# KiCad board Rogelio Pineda - connect 4 AMLDC-2044B.kicad_pcb (continued)
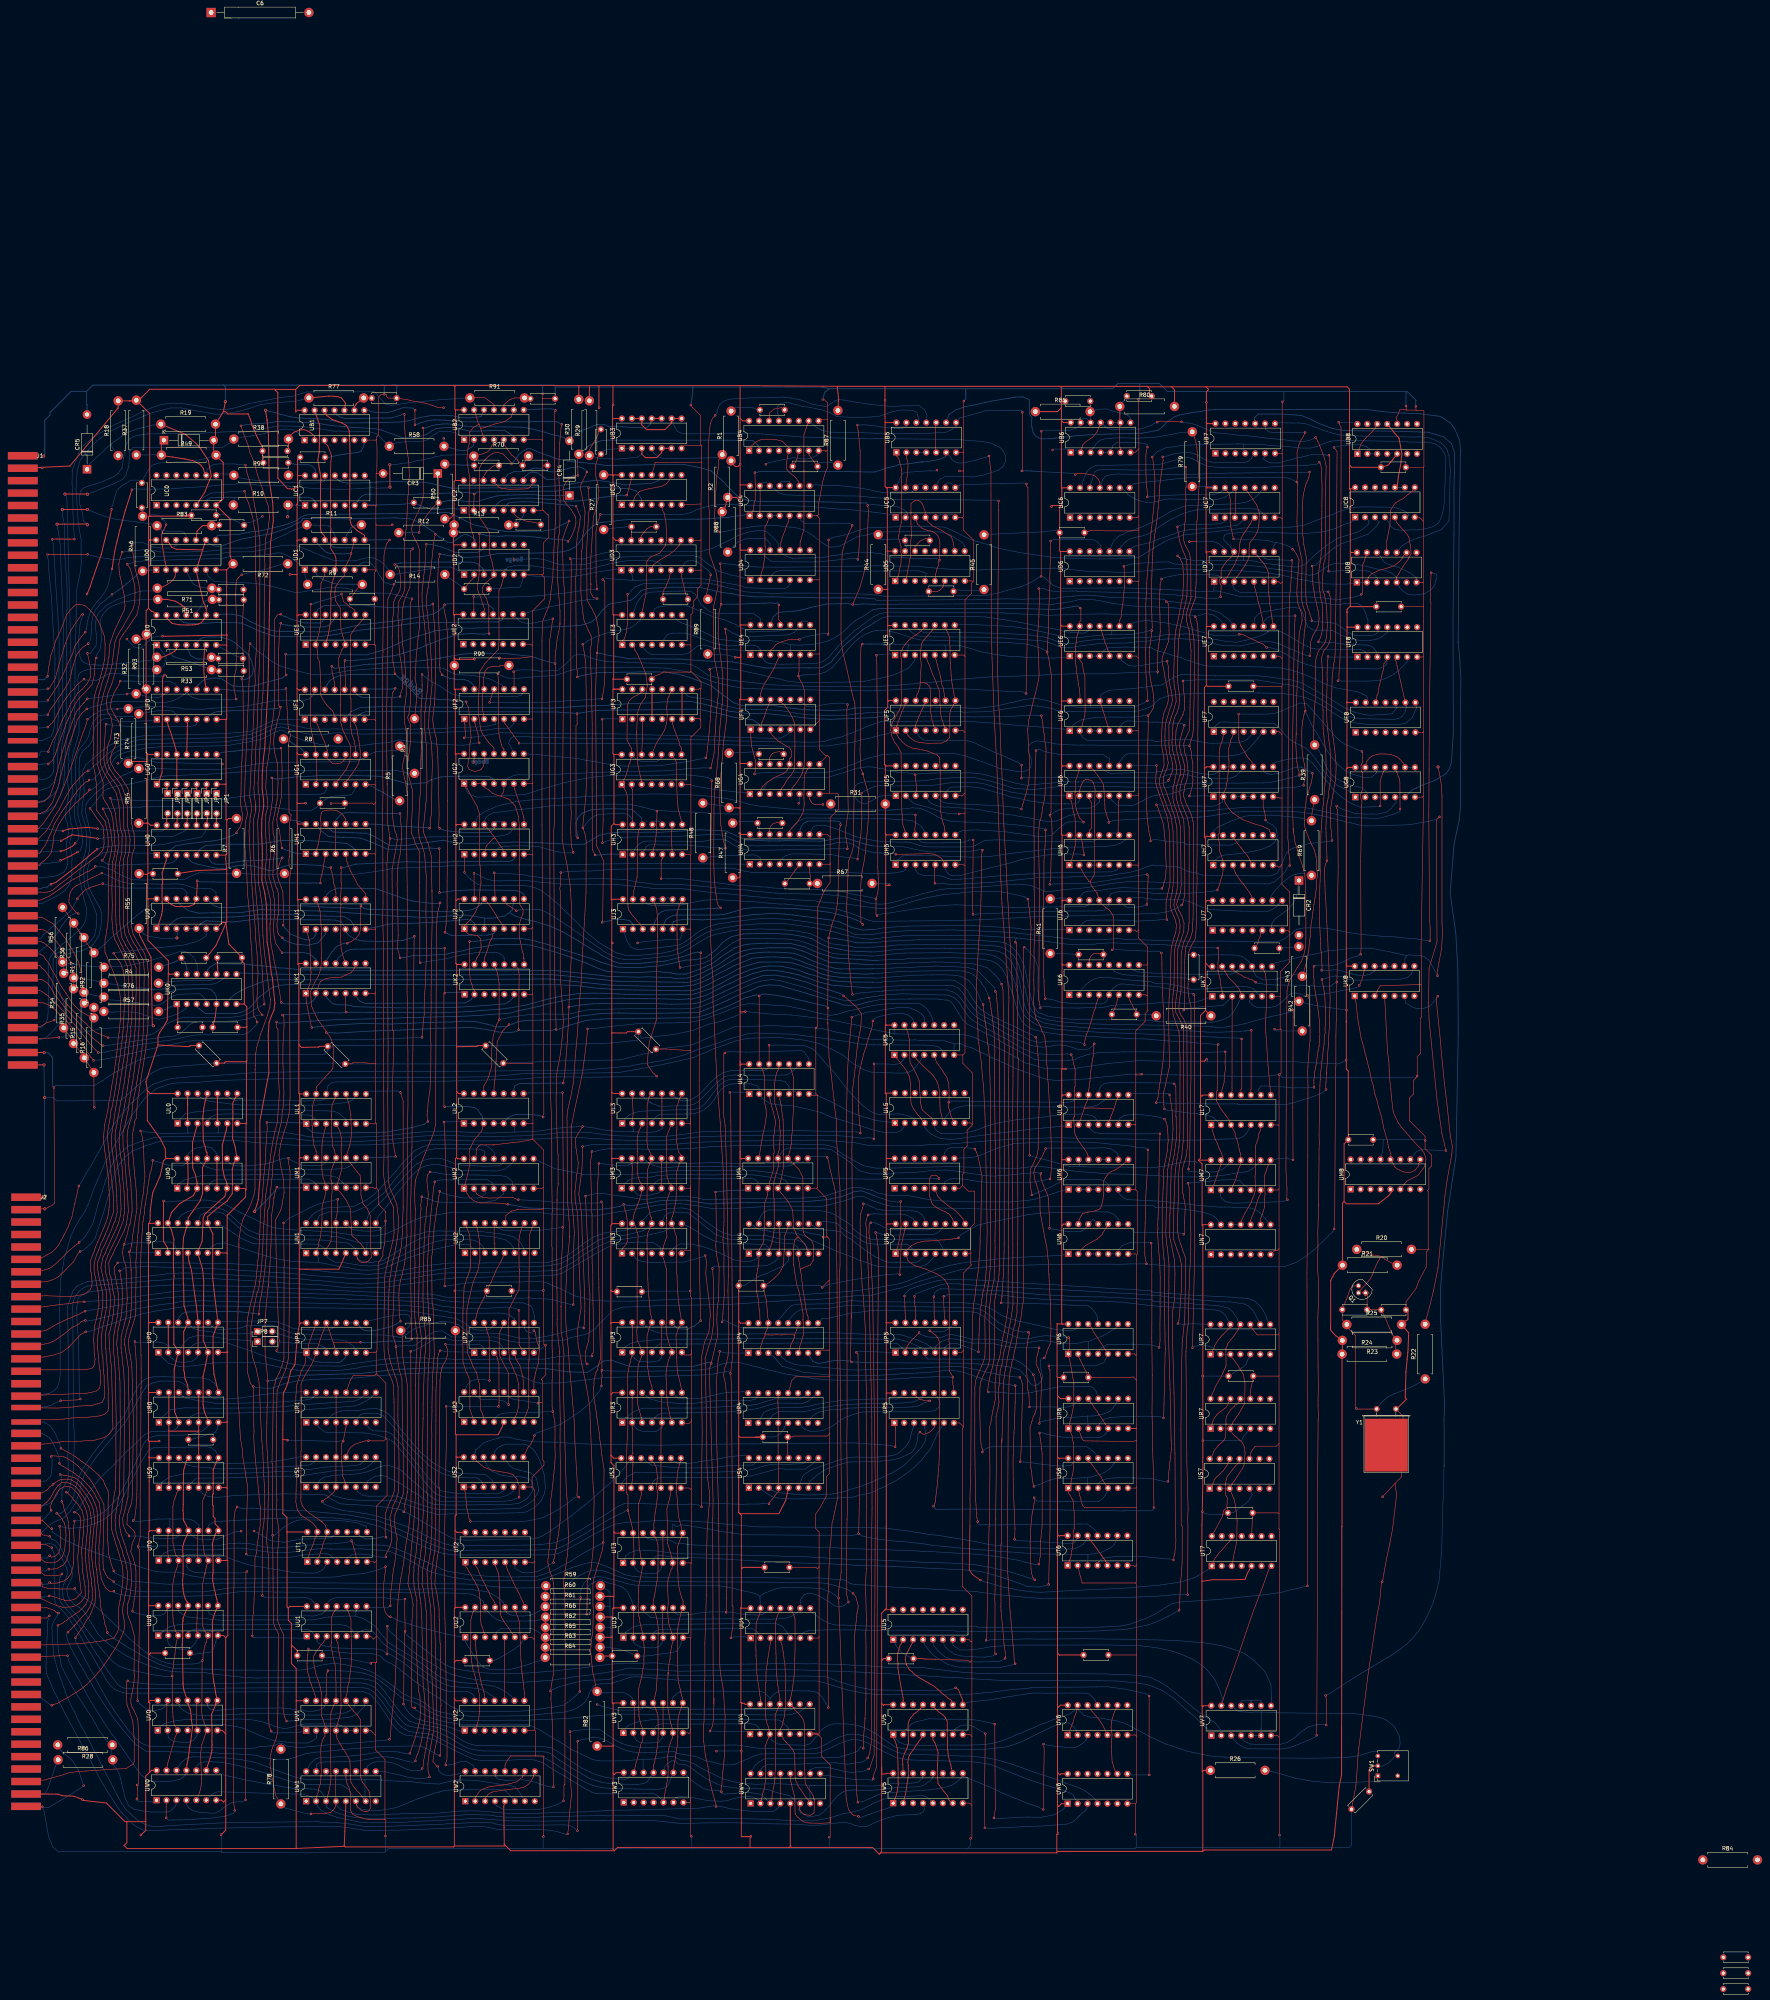
[diagram p0: board, top side]
## Routing (per net, layer and track width the routed paths; a pad name or vN(x,y) marks a point on that pad's centre or on a via; arc(x,y) is an arc through that point) (continued)
F0p12: length 264
  Top w0.15: 103.47,183.29 103.12,187.13 v1(102.99,188.06) 103.23,188.3 103.23,188.36 103.61,189.81 ; 101.8,164.24 101.82,165.72 102.38,168.19 103.04,170.37 ; 99.61,324.49 98.08,327.23 98.5,329.25 99.13,330.83 99.87,332.21 100.35,332.98 v1(100.66,333.82) ; 103.57,189.46 103.84,192.15 104.23,194.69 104.93,199.08 104.9,200.09 104.83,202.61 104.77,203.57 104.44,206.97 104.32,208.06 103.96,212.22 103.86,213.3 103.76,217.98 104.01,219.14 104.01,219.34 104.36,220.78 104.33,221.37 104.73,222.11 104.94,224.63 105.04,226.22 105.48,228.85 105.52,229.21 105.99,232.46 106.12,233.32 106.61,236.01 106.81,237.51 107.25,240.34 107.25,240.55 107.45,243.07 107.65,244.77 107.75,246.63 107.74,247.8 107.83,258.81 107.85,259.28 107.54,262.12 107.21,263.11 106.86,264.3 105.2,266.95 103.96,269.21 103.47,271.34 103.59,274.72 103.54,275.54 103.54,285.05 103.49,285.98 103.7,289.57 104.27,291.13 104.27,293.39 104.18,295.01 103.86,296.07 103.57,297.49 103.56,297.81 103.44,300.55 103.47,300.59 103.32,302.49 103.32,303.13 102.81,305.87 102.55,306.54 101.08,308.9 99.81,310.44 99.31,311.01 98.25,313.03 98.14,314.18 98.54,315.54 99.05,316.51 99.39,317.3 100.36,319.76 100.84,321.18 100.58,322.52 100.13,323.76 99.48,324.72 ; 103.45,183.5 103.52,175.93 103.55,174.89 103.3,171.4 102.96,170.07 ; 101.8,164.49 102.04,162.95 102.75,158.17 102.75,155.48 102.79,154.99 103.1,134.21 102.65,126.49 102.65,125.42 102.46,124.75 102.35,124.16 101.91,122.27 101.64,121.25 101.29,120.03 101.39,118.4 102.22,116.34 102.9,115.81 v1(102.9,115.49)
  Bottom w0.15: v1(102.9,115.49) 105.25,115.49 106.6,115.27 107.24,115.15 108.52,115.06 109.45,114.93 109.68,114.93 110.52,114.93 111.1,114.87 112.37,114.84 113.12,114.83 114.05,114.82 114.57,114.9 115.05,115.18 115.7,115.6 UT0.12 ; v1(100.66,333.82) 102.47,333.82 ; UF0.12 114.9,333 113.87,333.51 113.15,333.75 106,333.75 103.23,333.85 101.56,333.82 ; v1(102.99,188.06) 103.94,187.86 104.66,187.83 108.99,187.83 UN0.1
F1p2: length 17.3
  Top w0.15: UF1.2 150.98,322.84 151.6,321.33 152.2,319.77 152.97,318.02 153.6,316.07 UG1.12 153.77,313.84 154.9,312.81 156.27,312.72 157.03,312.92 157.65,313.43 158.03,313.86 158.26,315.05 UG1.10
F1p6: length 208.7
  Top w0.15: UF1.6 160.54,323.1 161.14,321.72 161.36,320.16 161.49,319.52 161.65,318.64 161.75,317.92 161.97,316.1 161.98,315.67 161.98,314.34 162.01,314.31 161.46,312.62 160.99,311.8 159.98,310.27 159.42,309.58 158.56,308.33 UG1.5 ; UJ3.13 231.79,280.15 232.02,280.77 232.39,282.36 232.7,283.63 232.87,287.63 232.84,287.99 232.87,289.17 232.87,293.59 233.07,295.39 233.25,295.99 UH3.12 ; v1(217.55,293.78) 217.11,294.21 217.11,322.51 217.52,322.92 217.39,323.04 v1(217.39,325.54) ; UF4.12 266.24,327.51 265.74,326.47 265.28,324.83 264.61,323.34 UF4.2
  Bottom w0.2: UF4.2 263.95,322.86 262.14,324.01 260.22,324.22 259.4,324.32 257.97,324.51 256.5,324.82 253.09,325.67 248.25,326.66 237.21,326.52 222.31,326.35 219.95,325.96 218.32,325.72 v1(217.39,325.54) 215.87,325.71 214.82,325.74 213.96,325.77 212.39,325.93 211.35,325.95 170.4,326.07 170,326.08 169.83,326.1 164.48,326.1 163.41,326.02 162.15,325.56 160.54,324.36 UF1.6 ; UH3.12 233.83,298.94 231.35,301.06 228.88,301.19 225.06,301.22 223.21,301.13 220.92,300.93 218.69,300.12 217.6,298.89 217.11,297.53 217.3,295.5 217.4,294.87 217.58,294.5 v1(217.55,293.78)
F1p8: length 135.8
  Top w0.15: v1(171.03,212.41) 170.72,214.03 170.52,215.18 170.37,216.21 170.17,217.44 170.17,228.51 170.19,230.11 170.49,238.39 170.46,238.42 170.46,244.49 170.21,244.74 170.21,264.32 170.25,264.37 170.11,285.53 171.46,293.22 171.24,294.67 170.86,295.53 170.5,297.18 170.31,298.84 170.16,299.98 170.21,300.02 170.21,313.39 170.15,314.06 170.12,314.55 170.07,322.13 170.07,329.47 170.29,330.86 v1(170.93,332.01)
  Bottom w0.2: UF1.8 163.26,331.8 169.72,331.8 170.14,331.81 v1(170.93,332.01) ; v1(171.03,212.41) 167.21,212.19 UM1.8
F1p10: length 360
  Top w0.15: 193.52,374.16 192.65,375.42 192.47,375.89 192.42,375.93 192.42,388.17 192.69,388.7 193,389.34 194.02,390.52 194.16,390.64 194.68,391.2 195.92,392.05 197.03,392.24 198.44,391.86 200.75,389.45 v1(200.63,389.28) 200.75,389.26 ; UF1.10 158.26,331.88 158.26,332.92 157.94,338.79 158.15,339.09 v1(158.07,339.09) 158.07,339.18 158.11,339.14 ; 194.95,345.87 194.93,345.89 v1(194.93,345.95) 194.86,345.95 194.84,345.97 194.84,353.12 194.49,354.01 194.18,354.98 193.17,356.55 193.27,357.81 193.93,358.8 195.21,359.92 195.88,360.21 195.88,360.76 UD2.4 196.06,361.12 196.06,362.15 195.86,363.31 195.71,364.15 195.36,365.27 195.13,366.34 195.03,366.45 195.03,371.7 194.06,373.29 193.46,374.22 ; v1(291.63,378.7) 291.84,377.32 291.56,370.99 291.46,364.24 289.62,357.67 v1(287.81,353.38)
  Bottom w0.15: v1(291.63,378.7) 292.88,378.92 294.61,378.78 295.75,378.7 298.06,378.48 299.28,378.33 300.11,377.98 300.83,377.6 301.56,377.03 301.91,376.48 UC5.2 ; UE7.12 384.07,349.44 382.8,350.38 381.61,351.29 379.57,352 378.96,352.12 378.96,352.12 376.62,352.12 374.51,352.15 369.82,352.54 368.74,352.6 361.15,352.94 360.34,352.95 359.19,353.03 354.65,353.62 353.81,353.75 353.38,353.86 351.66,354.22 349.78,354.55 347.63,354.71 345.71,354.67 344.04,354.25 341.78,353.82 338.79,353.44 334.64,353.54 332.41,353.54 327.35,353.71 313.89,353.52 300.37,353.5 299.82,353.53 299.57,353.46 293.33,353.46
  Bottom w0.2: v1(200.63,389.28) 200.63,389.34 201.68,390.51 202.45,391.63 203.49,392.51 204.63,393.2 205.38,393.27 206.6,392.72 208.74,391.82 210.71,391.21 212.12,390.6 215.96,389.87 217.45,389.79 223.4,389.15 224.62,388.89 241.08,389.17 242.43,389.17 243.05,389.12 245.02,389.1 249.18,388.24 251.68,387.52 254.64,384.87 254.97,384.6 255.38,384.07 258.09,381.35 258.83,380.75 260.6,380.06 264.46,379.67 271.16,379.7 273.27,379.71 280.38,379.6 285.71,379.45 289.42,379.34 290.11,379.32 291.39,379.34 v1(291.63,378.7) ; 293.58,353.46 292.66,353.48 290.52,353.54 288.29,353.38 v1(287.81,353.38) 286.88,353.56 286.1,353.68 284.43,353.59 281.14,353.52 277.12,352.66 274.47,351.94 272.82,351.68 268.83,351.39 267.52,350.29 UE4.12 ; v1(158.07,339.09) 159.63,339.09 160.06,339.11 161.11,339.19 164.77,339.55 166.91,339.89 170.92,340.36 174.32,341.39 177.18,342.25 179.26,343.1 180.08,343.44 182.72,344.49 186.79,345.68 188.46,345.86 190.94,345.99 192.38,345.86 193.8,345.83 194.25,345.95 v1(194.93,345.95)
F1p12: length 119.6
  Top w0.15: UG2.12 193.84,314.19 193.69,313.43 193.48,312.17 192.85,311.22 191.32,310.72 189.88,311.19 189.43,312.01 189.64,313.8 189.88,314.53 189.98,317.89 190.11,318.23 190.32,319.39 189.98,322.83 189.69,327.01 189.06,328.14 v1(189.06,328.56) 189.06,328.53 ; v1(170.86,335.65) 170.86,336.06 170.42,338.21 170.36,338.83 170.23,340.54 170.14,345.11 170.19,345.16 170.19,349.13 170.42,350.89 170.5,353 170.55,354.09 171.08,355.28 172.1,356.91 172.39,359.08 172.06,361.92 171.49,363.31 v1(170.79,363.61)
  Bottom w0.2: v1(170.79,363.61) 172.29,364.01 178.86,364.12 181.07,364.23 182.3,364.24 187.79,364.24 189.84,364.23 190.99,364.16 192.07,363.73 193.47,362.41 UD2.3 ; UF1.12 153.53,332.96 154,333.74 155.31,334.71 156.87,335.28 160.18,335.55 169.34,335.55 170.18,335.44 v1(170.86,335.65) 171.25,335.26 171.32,335.26 177.17,329.41 179.63,329.41 181.43,329.24 181.99,329.14 183.9,329.13 185.14,328.99 185.62,328.87 186.5,328.78 186.99,328.71 187.73,328.71 188.23,328.56 v1(189.06,328.56)
F2p1: length 89.8
  Top w0.15: UF2.1 188.64,322.88 188.75,322.65 188.75,321.39 188.83,321.18 188.93,319.63 188.64,319.34 v1(188.51,319.34) 188.51,319.21
  Bottom w0.15: v1(188.51,319.34) 189.47,319.39 191.02,319.53 192.59,319.77 194.31,320.01 195.25,320.17 196.81,320.43 197.75,320.63 200.9,320.62 202.8,320.55 230.95,320.29 234.33,320.12 246.53,319.88 256.24,319.53 266.8,319.24 268.24,319.25 269.53,319.3 270.63,319.96 271.53,320.43 271.54,321.11 UF4.5
F2p3: length 19.2
  Top w0.15: UF2.3 193.35,325.96 193.16,326.83 193.16,331.26 UF2.12 193.45,333.63 193.5,334.63 193.66,335.39 193.66,335.39 193.77,336.15 194.5,337.18 195.5,337.49 197.45,337.57 197.71,337.83 R90.2
F2p5: length 146.3
  Top w0.15: UF2.5 198.74,323.19 199.05,322.88 199.73,321.97 200.41,320.99 202.54,318.05 202.54,318 v1(202.57,317.97) 202.54,317.95 202.54,317.84 ; UH5.9 311.29,296.04 311.18,296.83 310.89,297.5 310.66,298.31 310.4,299.59 310.28,300.6 310.16,304.72 310.17,310.83 310.01,313.87 310.01,314.23 309.39,314.98 308.28,315.43 306.78,316 305.72,316.25 304.61,316.49 303.67,316.57 302.89,316.76 301.45,317.46 300.57,318.19 300.31,318.51 299.53,319.4 299.12,320.23 UF5.1 299.07,322.39 299.29,322.98 299.66,324.12 300.04,325.05 300.34,326 300.75,326.78 300.94,327.42 301.19,327.71 UF5.13
  Bottom w0.15: UF5.1 296.67,320.37 294.68,320 293.26,319.57 291.81,319.16 289.98,318.84 288.09,318.24 284.93,317.82 281.48,317.27 270.36,317.2 259.6,317.45 249.88,317.77 227.51,317.88 v1(202.57,317.97)
F2p9: length 232
  Top w0.15: UC7.5 389.77,374.81 389.46,374.03 389.14,373.65 388.78,373.01 388.24,372.23 388.07,372.01 387.77,371.57 387.55,371.21 387.08,370.42 386.77,369.26 386.61,368.32 386.73,367.73 386.66,367.28 386.36,365.76 385.84,364.65 385.3,363.44 384.4,362.03 383.95,361.12 383.57,360.57 UD7.2 ; 365.72,335.67 365.68,337.67 365.6,339.72 365.79,341.6 365.84,342.06 365.91,342.46 365.99,342.99 366.03,343.29 366.21,344.42 366.3,345.3 366.33,345.84 366.4,346.45 366.37,347.39 366.37,348.31 366.31,350.04 366.3,350.95 366.28,351.59 366.19,353.05 366.21,353.76 366.17,354.78 366.28,356.48 366.33,357.17 ; v1(366.71,359.93) 366.36,358.53 366.33,357.04 ; 201.28,336.41 201.28,336.34 v1(201.17,336.23) 201.28,336.12 UF2.9
  Bottom w0.15: v1(366.71,359.93) 367.67,360.33 369.12,360.62 370.26,360.87 371.31,361.02 372.59,361.09 373.72,361.12 375.17,361.07 377.91,361.06 380.56,360.92 381.11,360.81 381.78,360.39 382.12,360.03 UD7.2 ; 365.43,336.21 364.7,336.17 363.39,336.14 361.54,336.04 358.59,335.98 357.25,335.92 354.8,335.82 353.24,335.7 350.72,335.67 344.51,335.7 342.9,335.65 339.6,335.58 337.55,335.47 336.19,335.37 331.46,335.19 330.11,335.1 324.92,334.99 324.32,334.91 322.78,334.89 319.22,334.63 315,334.3 311.84,333.95 307.99,333.53 305.52,333.39 304.71,333.3 303.71,333.17 300.01,332.87 299.13,332.78 296.05,332.58 295.19,332.54 293.99,332.46 292.32,332.37 291.13,332.38 279.46,332.47 277.19,332.45 266.5,332.9 264.18,333.25 258.25,333.86 253.21,334.66 250.81,335.38 248.21,337.21 246.5,338.06 244.79,338.26 242.18,338.29 238.47,338.36 232.14,338.54 230.77,338.59 224.85,338.86 223.29,339.11 221.07,339.73 218.96,340.58 217.37,340.71 216.48,340.24 214.42,338.11 212.39,336.55 207.8,336.36 206.29,336.67 203.76,336.71 202.3,336.62 v1(201.17,336.23)
  vias: v1(365.72,336.21)
F2p11: length 116
  Top w0.15: v1(223.78,329.33) 223.94,330.28 224.18,331.51 224.37,333.12 224.49,335.73 224.48,337.48 224.48,356.32 224.44,359.35 ; 224.44,359.35 224.02,359.77 v1(223.94,359.77) ; 224.44,359.35 224.44,359.43 ; 195.08,328.37 v1(195.03,328.4) 195.76,330.74 195.76,331.32 UF2.11
  Bottom w0.15: 231.62,359.8 UD3.2 ; 231.62,359.8 231.66,359.54 230.32,359.65 226.18,359.95 224.91,360 224.36,360.2 v1(223.94,359.77) ; 231.62,359.8 231.79,359.8 232.04,359.55 237.59,359.72 240.93,359.9 241.9,359.91 247.36,359.99 248.71,359.95 250.7,359.82 252.47,359.46 254.7,359.03 259.28,358.19 260.58,357.68 266.95,357.45 268.64,357.41 270.5,357.49 271.19,357.85 271.81,358.62 UD4.5 ; v1(195.03,328.4) 196,328.4 196.05,328.45 208.47,328.33 212.38,328.64 215.45,328.84 216.66,328.84 217.9,328.95 220.89,329.14 222.33,329.26 223,329.28 v1(223.78,329.33)
F3p1: length 170.9
  Top w0.15: 298.79,289.5 v1(298.82,289.59) 305.26,289.69 306.79,289.74 307.29,289.74 308.25,289.65 309.11,289.4 309.81,289 310.47,288.57 310.93,287.87 UH5.6 ; UH6.13 346.28,293.4 346.56,292.23 346.73,290.21 346.91,290.04 346.91,289.48 v1(346.87,289.44) 346.91,289.4 346.91,289.26 346.93,289.24 ; v1(223.82,324.1) 224.06,298.35 v1(223.86,292.54)
  Bottom w0.15: UF3.1 225.44,324.22 224.5,324.2 223.95,324.1 v1(223.82,324.1) ; v1(223.86,292.54) 224.55,292.75 225.41,293.15 225.47,293.15 226.43,293.39 227.57,293.69 228.76,293.88 229.85,293.97 236.56,294.13 236.57,294.12 241.01,294.12 241.54,294.16 242.83,294.14 245.3,294.31 247.2,294.4 250.85,294.62 252,294.63 253.03,294.65 255.11,294.45 256.66,293.78 258.15,292.94 260.15,291.95 262.97,291.73 263.61,291.73 269.83,291.88 269.88,291.93 279.84,291.75 281.14,292.02 282.66,292.24 283.75,292.58 285.48,292.74 286.29,292.7 287.09,292.38 287.96,292.11 289.1,291.31 290.52,290.66 291.55,290.46 292.78,290.1 293.59,289.96 ; 293.59,289.96 294.86,289.95 295.18,289.9 295.85,289.92 296.62,289.89 297.84,289.89 298.24,289.91 v1(298.82,289.59) ; 293.59,289.96 293.7,289.94 ; UH5.6 311.48,285.79 311.95,284.9 312.36,284.5 312.68,284.29 313.37,284.11 314.9,284.15 316.17,284.35 316.95,284.59 318.27,284.97 319.57,285.26 320.48,285.48 321.03,285.63 322.63,286.07 325.34,286.69 326.19,286.93 328.13,287.41 330.74,288.21 332.75,288.63 335.38,289.08 336.83,289.36 340.2,289.64 340.99,289.66 344.72,289.67 345.9,289.66 346.76,289.56 v1(346.87,289.44)
F3p10: length 204.1
  Top w0.25: UF3.7 UF3.10
  Bottom w0.15: UF3.10 245.54,330.07 247.09,329.63 249.49,329.38 251.67,328.89 253.55,328.13 255.71,327.45 258.4,326.83 260.94,326.65 261.97,326.61 262.83,326.59 264.49,326.62 265.41,326.52 266.52,326.47 269.14,326.31 275.81,325.26 281.39,325.05 285.37,325.03 289.27,325.51 291.55,325.77 292.02,325.77 292.82,325.77 293.59,325.84 ; 293.81,325.86 293.59,325.84 ; 293.59,325.84 297.07,326 298.31,325.97 300.72,325.99 302.81,326.04 303.27,326.05 315.8,326.05 316.03,325.83 316.11,325.91 321.79,326.01 323.2,326.13 326.79,326.72 328.12,326.93 332.81,327.61 335.14,327.47 338.89,326.77 340.07,326.27 341.07,326.21 341.85,326.14 342.81,326.13 351.47,326.03 352.52,326.05 354.18,326.08 356.64,326.01 360.76,326.19 362.86,326.86 364.16,327.46 366.13,329.24 368.54,330.12 371.18,330.47 372.51,330.53 379.62,330.71 391.38,330.8 ; 391.38,330.8 396.25,330.7 398.15,330.6 401.09,330.14 403.45,329.67 405.69,328.73 408.26,327.28 409.9,326.15 412.02,324.76 413.54,323.96 415.46,323.25 418.5,322.87 419.6,322.74 427.54,322.78 428.39,322.94 428.95,323.03 429.49,323.41 430.63,324.34 431.23,325.5 431.47,326.15 432,327.23 UF8.8 ; 391.38,330.8 391.56,330.8
F4p1: length 272.9
  Top w0.15: v1(262.7,310.09) 262.89,310.71 262.98,313.37 262.58,314.96 262.17,316.48 261.98,317.25 261.81,319.01 261.79,319.64 UF4.1 ; R79.2 375.12,396.19 375.58,394.41 375.76,393.34 375.82,392.45 375.93,391.31 376.01,389.96 376.08,389.61 376.22,385.94 376.34,384.83 376.01,377.95 375.84,375.15 375.75,374.67 375.63,372.7 375.61,372.22 375.62,371.71 375.62,370.14 375.69,370.07 375.69,369.47 ; 375.69,369.47 373.86,369.47 v1(373.83,369.44) 373.8,369.47 373.77,369.47 ; 375.69,369.47 375.57,360.86 375.58,359.78 375.56,359.08 375.47,357.8 375.44,355.41 375.25,354.63 374.78,353.48 374.63,353.05 374.43,352.58 374.3,352.13 373.9,350.78 374.12,349.08 374.25,348.54 374.51,347.61 374.72,346.19 374.89,344.92 375.02,344.23 375.17,335.93 374.97,327.13 374.87,322.63 374.87,321.97 374.69,320.22 374.52,319.49 374.32,318.84 374.16,318.56 373.98,317.78 373.89,317.3 v1(373.87,317.29) 374.14,316.49 374.34,315.73 374.46,314.09 374.69,312.97 374.69,309.1 374.74,308.37 374.65,307.83 374.57,306.94 374.06,305.12 373.96,304.8 373.85,304.57 v1(373.85,304.45) 373.73,304.45 373.71,304.43
  Bottom w0.15: UG7.1 378.42,304.53 v1(373.85,304.45) ; R79.2 371.03,397.21 369.53,396.89 367.3,396.48 365.13,396.12 361.89,395.93 361.26,395.91 360.8,395.84 356.84,395.96 355.92,395.98 353.5,395.83 352.44,395.75 350.99,395.36 349.87,394.28 UB6.3 349.21,393.33 ; v1(373.87,317.29) 372.97,317.41 352.16,317.41 350.1,317.48 346.15,317.5 344.39,317.5 339.64,317.79 337.78,318.2 334.89,318.56 333.42,318.06 332.7,317.14 332.92,315.09 333.52,313.81 333.32,311.85 332.96,311.29 331.47,310.76 329.52,310.82 328.19,311.05 325.38,311.5 323.54,312.27 319.64,313.67 316.84,314.59 314.84,315.12 313.93,315.3 297.38,315.21 296.7,315.14 295.33,315.04 294.26,314.8 293.76,314.65 291.85,314.17 289.95,313.45 288.68,312.86 287.66,312.54 284.87,311.41 282.46,310.75 280.27,310.45 277.93,310.52 277.18,310.45 276.03,310.42 266.21,310.49 264.06,310.38 263.19,310.17 v1(262.7,310.09) ; UD7.13 382.72,367.72 381.25,369 380.27,369.39 379.38,369.54 375.64,369.44 374.65,369.42 374.36,369.45 v1(373.83,369.44)
F4p3: length 252.2
  Top w0.15: UG5.3 303.91,305.37 304.13,305.83 304.04,307.45 303.89,308.81 303.87,309.27 v1(303.75,309.93) 303.75,309.9 ; v1(368.47,308.45) 368.69,308.8 369.48,310.77 369.6,311.7 369.52,312.54 369.48,312.83 369.21,314.22 368.8,315.41 368.66,316.88 368.61,317.62 368.61,317.96 368.61,322.75 368.82,323.39 368.95,323.82 369.17,324.58 369.67,325.98 370.46,328.63 370.39,329.6 370.34,330.37 370.11,331.97 369.95,332.77 369.87,333.85 369.82,334.99 370.03,342.56 370.15,345 370.39,346.99 370.49,347.55 370.73,348.51 371.04,349.91 371.46,352.25 371.67,353.27 371.95,354.76 372.15,355.88 372.35,359.59 372.35,360.96 372.24,361.87 372.18,363.15 372.05,363.83 371.35,365.33 v1(370.81,365.82) ; UF4.3 266.81,320.57 267.68,319.55 268.02,319.18 268.61,318.69 269.21,318.2 270.65,317.38 271.62,316.78 271.97,316.43 272.11,315.9 272.1,314.48 271.69,314.07 UG4.12 271.15,311.16 270.34,310.32 267.85,309.22 267.36,308.88 265.82,307.94 265.35,307.44 264.78,306.88 264.07,305.68 UG4.2
  Bottom w0.15: UD7.11 387.71,365.38 387.58,364.7 ; 294.6,311.56 294.74,311.54 ; 294.6,311.56 295.47,311.47 296.78,311 299.02,310.6 299.31,310.54 299.71,310.48 302.54,310.32 v1(303.75,309.93) 304.38,310.14 305.45,310.26 307.33,310.31 308.74,310.35 314.33,310.46 315.68,310.36 317.19,310.43 317.94,310.4 319.59,310.26 321.23,309.99 324.08,309.28 326.58,308.55 329.36,307.78 332.11,307.25 335.25,307.51 336.41,307.62 337.69,307.69 340.66,308.03 341.05,308.09 343.34,308.12 343.39,308.07 345.16,308.07 345.46,308.09 347.55,308.05 348.64,308.02 364.2,307.77 366.66,307.71 367.75,307.98 v1(368.47,308.45) ; 294.6,311.56 292.78,311.9 291.24,311.91 288.54,311.5 286.27,310.68 281.39,309.26 278.79,309.15 273.6,309.24 268.93,309.25 267.44,309.02 266.09,308 265,306.34 UG4.2 ; 376.64,364.61 387.58,364.7 ; 376.64,364.61 376.9,364.63 ; 376.64,364.61 375.73,364.56 373.46,364.88 372.54,365.1 371.82,365.14 371.49,365.31 371.06,365.39 v1(370.81,365.82) ; 387.58,364.7 389.99,364.53 390.87,364.37 392.51,364 393.4,363.85 396.41,363.52 397.19,363.37 399.85,363.08 400.54,362.97 401.78,362.98 403.34,363.62 406.35,366.47 408.94,368.54 411.89,370.4 414.05,371.04 416.85,371.91 418.3,372.78 419.61,373.91 419.74,374.7 UC8.2
F4p11: length 26.4
  Top w0.15: UG4.4 269.59,306.35 270.1,307.06 270.28,307.29 270.83,308.24 271.34,309.03 272.11,309.88 272.87,311.19 272.94,313.52 272.97,313.92 273.05,317.14 273.03,318.5 272.99,322.47 272.95,323.05 272.42,324.49 271.43,326.18 270.21,327.94 269.35,328.44 UF4.11
F5p9: length 12
  Top w0.15: UF5.9 311.31,329.85 311.13,330.85 310.96,332.05 310.6,332.9 310.34,334.44 310.29,334.84 309.43,337.96 309.07,339.42 UE5.5
F5p11: length 99.4
  Top w0.15: UF5.11 305.93,327.55 305.65,326.83 305.54,326.61 305.1,325.6 304.75,324.8 304.3,323.75 303.85,322.51 303.83,322.12 UF5.3 ; v1(330.91,309.07) 330.97,309.13 v1(330.97,312.39)
  Bottom w0.15: 375.85,309.28 374.78,309.44 373.93,309.82 372.04,310.03 370.28,310.05 369.07,310.09 367.75,309.71 366.31,309.11 345.25,309.28 343.69,309.15 333.51,309.22 331.81,309.25 v1(330.91,309.07) ; 375.85,309.28 375.87,309.28 ; 375.85,309.28 378.14,309.1 378.85,309.1 382.37,308.93 383.49,308.94 384.11,309.02 385.08,309.28 385.53,309.51 386.55,310.36 387.04,310.97 UG7.11 ; v1(330.97,312.39) 330.36,312.84 330.23,312.92 329.85,313.18 328.74,313.65 327.83,314.01 326.07,314.81 324.12,315.6 320.91,317.11 318.62,318.22 317.25,318.55 315.97,318.69 311.4,318.74 308.82,318.7 306.83,318.63 305.84,318.83 304.76,319.67 UF5.3
F6p3: length 2.5
  Bottom w0.15: UF6.3 UF6.4
F6p11: length 90.7
  Top w0.15: UF6.11 350.9,328.24 351.1,328.04 351.27,327.77 351.53,327.16 351.78,326.24 352.05,325.37 352.41,324.2 352.74,323.16 UF6.5
  Bottom w0.15: 380.45,335.16 376.07,335.39 374.94,335.45 371.93,335.55 370.9,335.22 370.1,334.89 369.06,334.28 368.15,333.74 366.99,332.88 365.7,332.77 361.51,332.18 359.13,331.89 357.64,331.8 355.46,331.63 353.39,331.5 352.19,330.93 351.71,330.67 351.29,330.4 351.17,329.95 UF6.11 ; 380.45,335.16 391.27,335.19 394.08,334.91 398.24,334.32 399.89,334.14 402.37,333.41 405.6,331.67 408.08,330.31 410.41,328.97 413.25,327.15 415.93,325.91 418.27,325.33 420.02,325.11 425.65,325.47 426.67,326.84 UF8.10 ; 380.45,335.16 380.51,335.16
F7p1: length 45.7
  Bottom w0.15: UG8.1 416.02,305.03 414.71,305.69 413.26,306.32 412.54,306.85 411.82,307.04 410.28,308.5 409.12,309.73 408.32,310.73 407.63,311.8 407.03,312.6 405.51,314.7 404.85,315.47 404.19,316.13 403.53,316.71 402.44,317.33 400.84,318.05 399.59,318.79 398.62,319.72 397.69,320.79 396.46,322.31 395.39,323.02 383.95,323.35 382.76,323.4 381.62,323.32 380.08,322.05 UF7.1
F7p3: length 34.1
  Top w0.15: UF7.3 384.91,319.78 384.45,318.89 384.17,317.66 383.89,316.65 383.89,314.07 383.91,313.76 383.94,313.26 383.91,311.28 383.78,310.86 383.5,308.37 383.28,307.25 383.08,306.29 382.52,305.14 382.52,304.3 383.01,302.69 383.54,301.83 384.05,301.07 384.54,300.61 384.91,300.11 385.34,299.91 386.46,299.09 387.66,298.36 389.98,297.53 390.3,297.4 392.71,296.69 393.45,296.31 394.21,295.94 394.42,295.37 395.02,294.22
G0p2: length 2.4
  Top w0.25: JP6.1 112.58,305.33 UG0.2
G0p5: length 2.4
  Top w0.25: JP3.1 120.2,305.16 UG0.5
G0p6: length 2.4
  Top w0.25: JP2.1 122.74,305.17 UG0.6
G0p8: length 73.2
  Top w0.15: v1(142,291.2) 141.76,292.38 141.31,295.78 140.78,296.99 140.66,298.55 140.94,299.97 141.22,301.4 141.62,302.92 141.83,304.43 141.89,306.08 142.04,310.63 141.95,313.23 141.9,314.81 v1(141.74,316.74) ; UH1.10 158.27,298.57 157.66,299.5 157.03,300.11 156.18,300.68 154.57,300.93 153.32,300.82 152.41,300.61 152.01,300.12 151.85,298.78 151.98,296.96 151.83,295.26 151.65,294.44 151.24,292.14 150.94,291.14 UH1.2
  Bottom w0.2: UG0.8 126.7,315.6 128.71,315.86 129.93,315.92 131.41,316.19 133.56,316.29 135.03,316.36 136.41,316.51 140.88,316.56 v1(141.74,316.74) ; UH1.10 UH1.9 ; v1(142,291.2) 142.74,290.77 144.14,290.34 145.12,289.97 146.29,289.75 UH1.1 UH1.2